# KiCad board MozzaMiddle.kicad_pcb
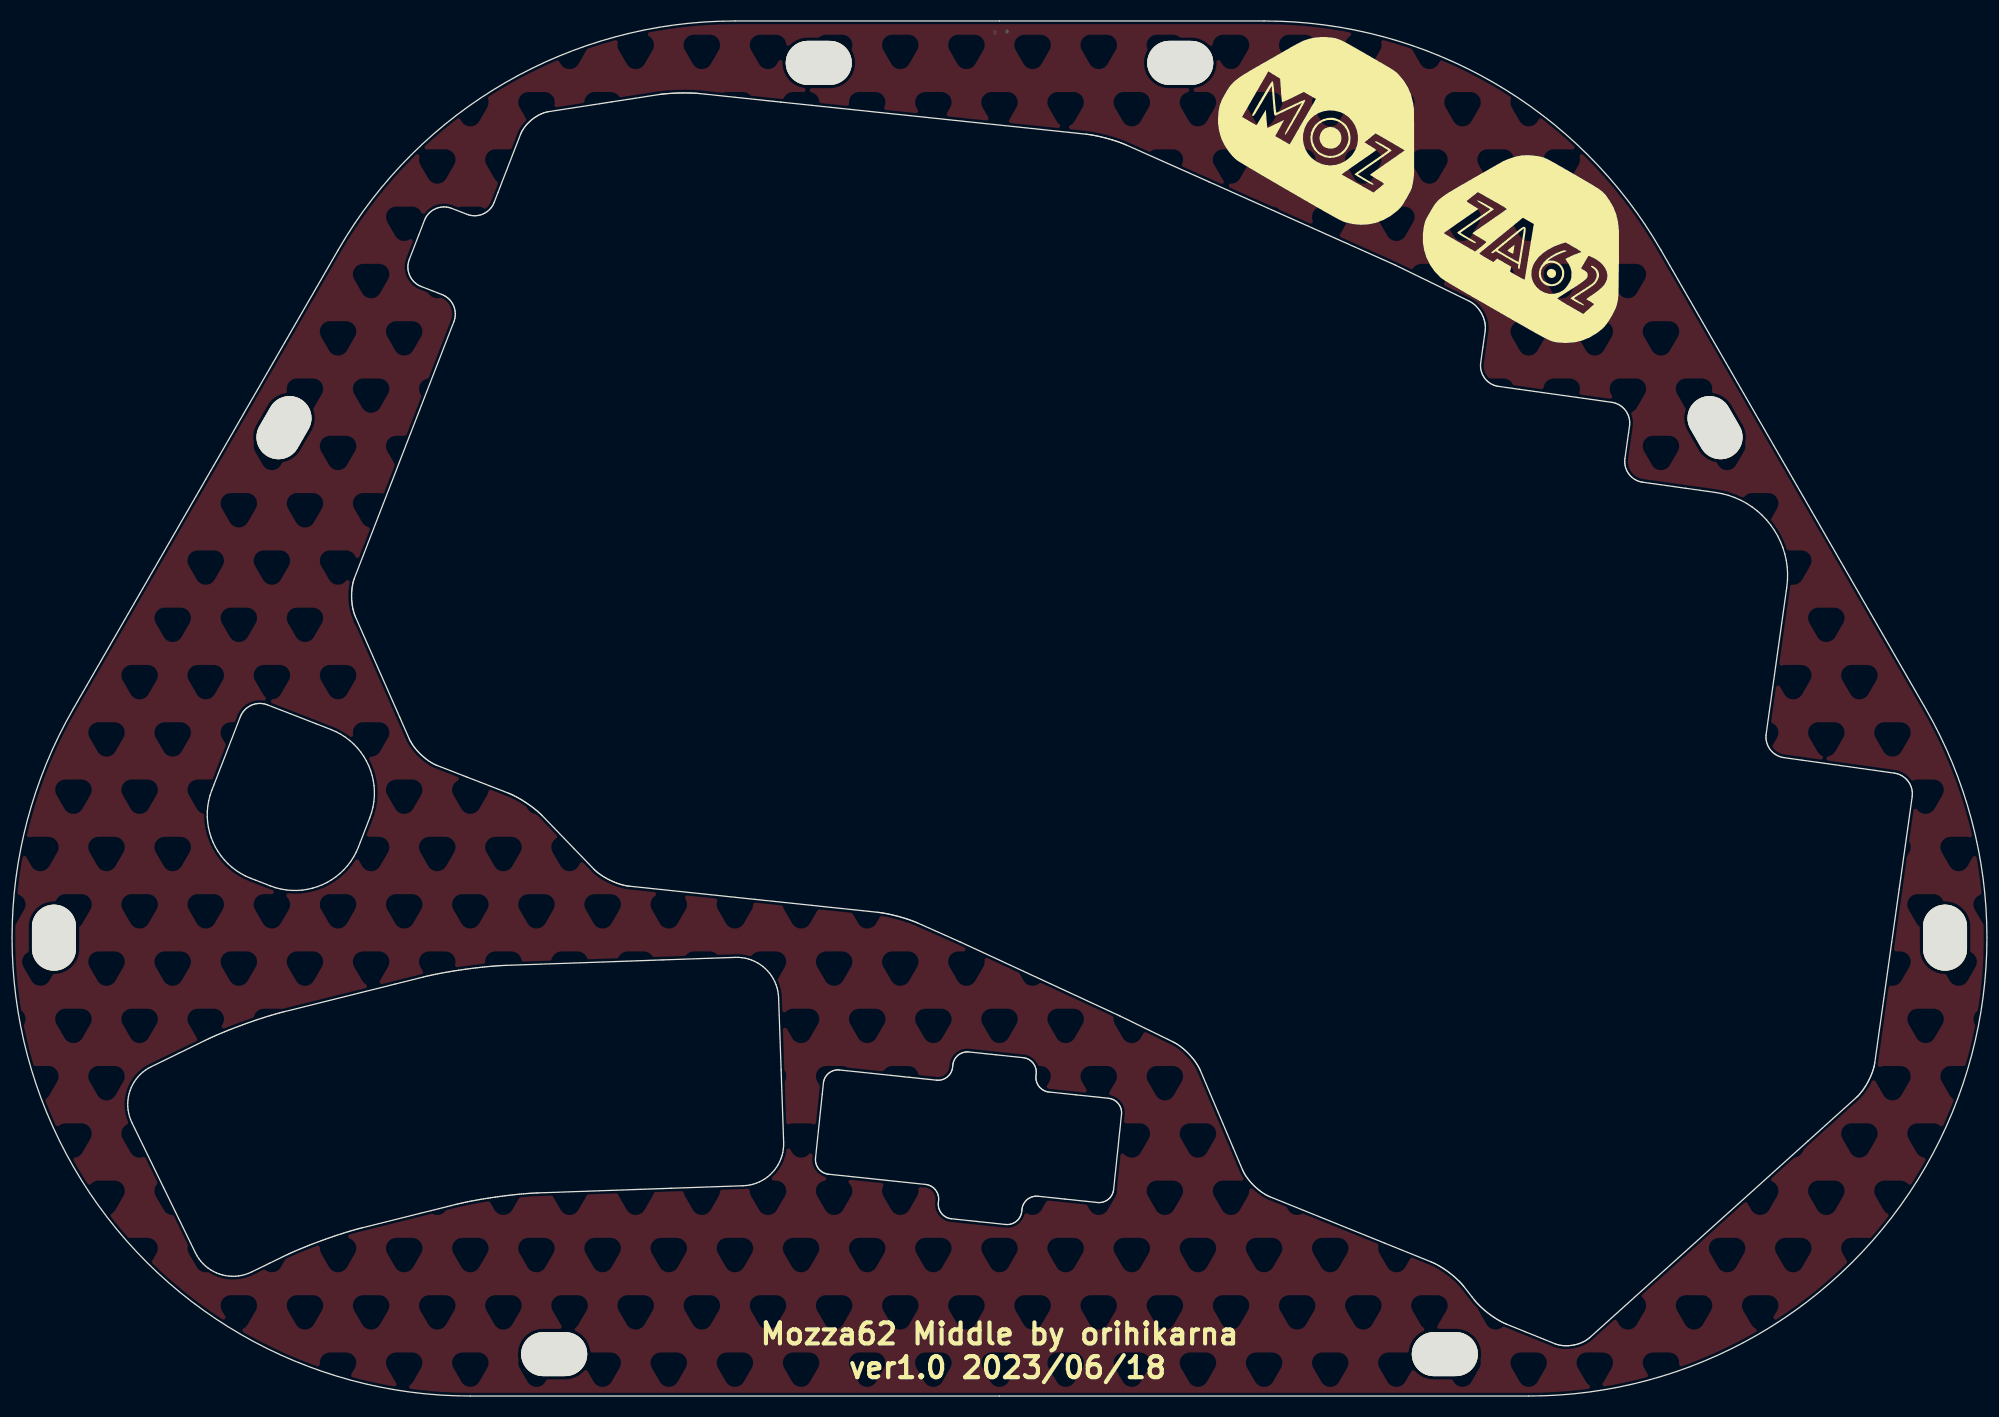
[diagram p0: board, top side]
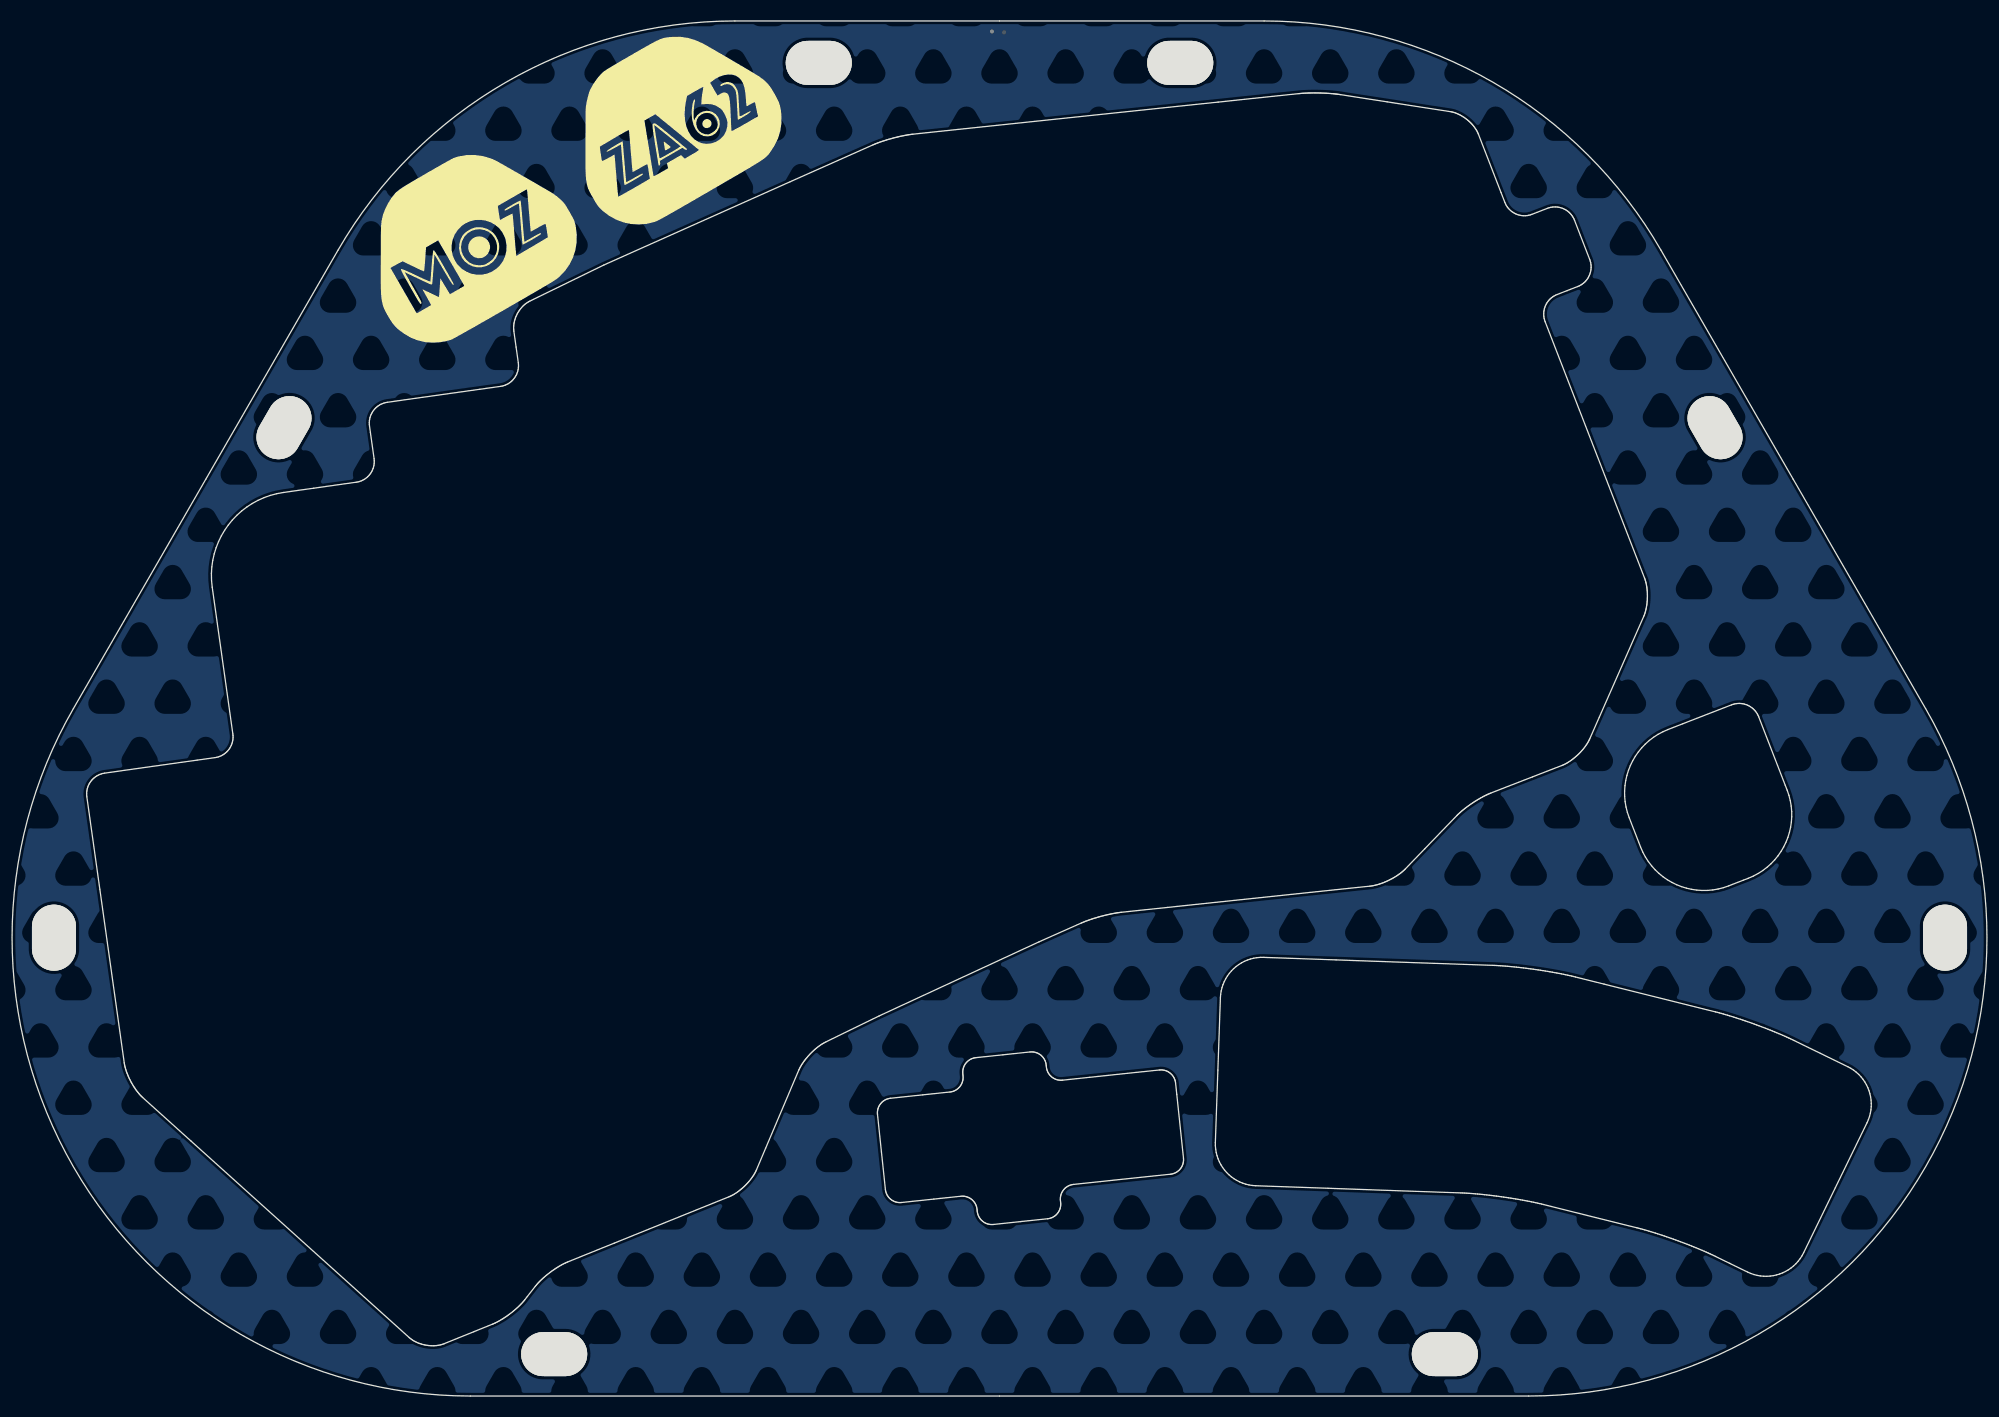
[diagram p1: board, bottom side, seen from below]

Outline 188.43 x 131.18 mm; copper layers: Top, Bottom. Coordinates in mm from the lower left corner of the outline.
Outline path: 5.86,65.59 5.86,65.59 18.48,87.45 31.1,109.31 arc(47.11,125.32) 68.97,131.18 68.97,131.18 119.46,131.18 arc(141.32,125.32) 157.33,109.31 169.95,87.45 182.57,65.59 arc(182.57,21.86) 144.71,0 94.22,0 43.73,0 arc(5.86,21.86) 5.86,65.59 ; 11.04,27.92 11.06,28.23 11.1,28.53 11.17,28.83 11.25,29.13 11.37,29.42 11.5,29.69 11.65,29.96 11.83,30.21 12.02,30.46 12.24,30.68 12.47,30.9 12.72,31.09 12.99,31.27 13.28,31.42 15.89,32.69 18.41,33.92 18.57,34 18.74,34.08 18.92,34.16 19.1,34.24 19.28,34.33 19.47,34.41 19.67,34.49 19.86,34.58 20.06,34.66 20.27,34.74 20.47,34.83 20.68,34.91 20.9,34.99 21.11,35.08 21.33,35.16 21.54,35.24 21.76,35.32 21.98,35.41 22.2,35.49 22.42,35.56 22.64,35.64 22.86,35.72 23.08,35.79 23.29,35.87 23.51,35.94 23.94,36.08 24.15,36.15 24.35,36.21 24.56,36.27 24.76,36.33 24.96,36.39 25.15,36.45 25.34,36.5 25.53,36.55 25.71,36.6 25.89,36.64 36.54,39.3 39.26,39.98 39.44,40.02 39.62,40.06 39.81,40.11 40,40.15 40.2,40.19 40.4,40.23 40.61,40.27 40.82,40.32 41.03,40.36 41.25,40.4 41.47,40.43 41.69,40.47 41.92,40.51 42.14,40.55 42.37,40.58 42.6,40.62 42.83,40.65 43.06,40.69 43.29,40.72 43.75,40.78 43.98,40.81 44.21,40.84 44.44,40.87 44.67,40.89 44.89,40.92 45.11,40.94 45.33,40.96 45.55,40.98 45.76,41 45.97,41.02 46.18,41.03 46.38,41.05 46.58,41.06 46.77,41.07 46.96,41.08 47.14,41.09 62.11,41.61 69,41.85 69.33,41.85 69.65,41.82 69.97,41.77 70.27,41.69 70.57,41.59 70.86,41.47 71.13,41.32 71.39,41.16 71.64,40.98 71.87,40.78 72.09,40.56 72.29,40.32 72.47,40.08 72.63,39.81 72.77,39.54 72.89,39.25 72.99,38.95 73.07,38.64 73.12,38.32 73.14,37.99 73.38,31.09 73.62,24.2 73.62,23.87 73.59,23.55 73.54,23.23 73.46,22.93 73.36,22.63 73.24,22.35 73.1,22.07 72.93,21.81 72.75,21.56 72.55,21.33 72.33,21.12 72.1,20.92 71.85,20.73 71.59,20.57 71.31,20.43 71.02,20.31 70.72,20.21 70.41,20.14 70.09,20.09 69.76,20.06 62.87,19.82 50.19,19.38 50.01,19.37 49.82,19.36 49.63,19.35 49.43,19.34 49.23,19.33 49.02,19.31 48.81,19.29 48.6,19.27 48.38,19.25 48.16,19.23 47.94,19.21 47.72,19.18 47.49,19.16 47.26,19.13 47.03,19.1 46.8,19.07 46.34,19.01 45.88,18.95 45.65,18.91 45.19,18.84 44.97,18.8 44.74,18.77 44.52,18.73 44.3,18.69 44.08,18.65 43.87,18.61 43.66,18.57 43.45,18.53 43.25,18.48 43.05,18.44 42.86,18.4 42.67,18.36 42.49,18.31 42.31,18.27 38.9,17.42 33.38,16.05 33.21,16 33.03,15.95 32.84,15.9 32.65,15.85 32.46,15.79 32.26,15.74 32.06,15.67 31.85,15.61 31.64,15.55 31.43,15.48 31.01,15.34 30.79,15.27 30.57,15.2 30.35,15.12 30.14,15.04 29.92,14.97 29.7,14.89 29.48,14.81 29.26,14.73 29.04,14.64 28.82,14.56 28.61,14.48 28.39,14.4 28.18,14.31 27.97,14.23 27.77,14.15 27.56,14.06 27.36,13.98 27.16,13.89 26.97,13.81 26.78,13.73 26.6,13.65 26.41,13.56 26.24,13.48 26.07,13.4 25.91,13.32 24.55,12.66 22.84,11.83 22.54,11.7 22.23,11.59 21.93,11.51 21.61,11.46 21.3,11.43 20.99,11.42 20.68,11.44 20.38,11.49 20.08,11.55 19.78,11.64 19.5,11.75 19.22,11.88 18.95,12.04 18.7,12.21 18.46,12.41 18.23,12.62 18.02,12.86 17.82,13.11 17.65,13.38 17.49,13.67 14.47,19.87 11.44,26.07 11.31,26.37 11.2,26.68 11.12,26.99 11.07,27.3 11.04,27.61 11.04,27.92 ; 18.63,55.26 18.63,55.77 18.68,56.28 18.76,56.79 18.89,57.3 19.07,57.8 19.25,58.27 21.78,64.8 21.84,64.95 21.92,65.09 22.01,65.22 22.1,65.35 22.21,65.46 22.32,65.57 22.44,65.67 22.56,65.76 22.7,65.83 22.84,65.9 22.98,65.96 23.12,66 23.27,66.04 23.43,66.06 23.58,66.07 23.74,66.07 23.9,66.06 24.05,66.03 24.21,65.99 24.37,65.94 29.03,64.13 30.43,63.59 30.91,63.37 31.38,63.13 31.81,62.84 32.22,62.53 32.6,62.19 32.95,61.83 33.27,61.44 33.55,61.03 33.8,60.6 34.02,60.15 34.21,59.68 34.35,59.21 34.47,58.72 34.54,58.22 34.57,57.72 34.57,57.21 34.52,56.7 34.44,56.19 34.31,55.68 34.14,55.18 33.23,52.84 33.05,52.38 32.84,51.89 32.59,51.43 32.31,50.99 32,50.58 31.66,50.2 31.29,49.86 30.9,49.54 30.49,49.25 30.06,49 29.61,48.78 29.15,48.6 28.67,48.45 28.18,48.34 27.69,48.26 27.18,48.23 26.67,48.23 26.16,48.28 25.65,48.37 25.14,48.5 24.64,48.67 23.24,49.21 22.77,49.39 22.29,49.6 21.82,49.85 21.39,50.13 20.98,50.44 20.6,50.78 20.25,51.15 19.93,51.54 19.65,51.95 19.4,52.38 19.18,52.83 18.99,53.29 18.85,53.77 18.74,54.26 18.66,54.76 18.63,55.26 ; 32.4,76.32 32.4,76.46 32.4,76.59 32.41,76.72 32.42,76.85 32.43,76.98 32.45,77.11 32.47,77.24 32.49,77.36 32.51,77.48 32.54,77.6 32.57,77.72 32.6,77.83 32.64,77.94 32.67,78.05 38.88,94.05 42.16,102.49 42.21,102.65 42.25,102.8 42.28,102.96 42.29,103.12 42.29,103.28 42.28,103.43 42.26,103.58 42.22,103.73 42.18,103.88 42.12,104.02 42.05,104.16 41.98,104.29 41.89,104.42 41.79,104.54 41.68,104.65 41.57,104.76 41.44,104.85 41.31,104.94 41.17,105.01 41.02,105.08 40.05,105.45 39.05,105.84 38.9,105.91 38.75,105.99 38.62,106.07 38.49,106.17 38.38,106.27 38.27,106.38 38.17,106.5 38.08,106.63 38.01,106.76 37.94,106.9 37.88,107.04 37.84,107.19 37.8,107.34 37.78,107.49 37.77,107.65 37.77,107.81 37.78,107.96 37.81,108.12 37.85,108.28 37.9,108.43 38.79,110.73 39.35,112.16 39.42,112.31 39.49,112.45 39.58,112.59 39.67,112.71 39.78,112.83 39.89,112.94 40.01,113.04 40.14,113.12 40.27,113.2 40.41,113.27 40.55,113.32 40.7,113.37 40.85,113.4 41,113.43 41.16,113.44 41.31,113.44 41.47,113.42 41.63,113.4 41.78,113.36 41.94,113.3 42.95,112.91 43.41,112.73 43.57,112.68 43.72,112.64 43.88,112.61 44.04,112.6 44.19,112.6 44.35,112.61 44.5,112.63 44.65,112.66 44.8,112.71 44.94,112.77 45.08,112.83 45.21,112.91 45.34,113 45.46,113.1 45.57,113.2 45.68,113.32 45.77,113.45 45.86,113.58 45.93,113.72 46,113.87 46.36,114.81 48.52,120.36 48.56,120.47 48.62,120.59 48.68,120.7 48.74,120.81 48.82,120.92 48.89,121.03 48.97,121.14 49.06,121.24 49.15,121.34 49.25,121.44 49.34,121.54 49.45,121.63 49.55,121.72 49.66,121.81 49.77,121.9 49.89,121.98 50,122.05 50.12,122.12 50.24,122.19 50.36,122.25 50.48,122.31 50.6,122.36 50.73,122.41 50.85,122.45 50.97,122.48 51.09,122.51 51.22,122.53 57.23,123.46 61.67,124.15 61.76,124.16 61.86,124.18 61.95,124.19 62.05,124.2 62.15,124.21 62.25,124.22 62.36,124.23 62.57,124.25 62.68,124.26 62.91,124.27 63.02,124.28 63.13,124.29 63.36,124.3 63.48,124.3 63.71,124.31 63.94,124.31 64.06,124.31 64.29,124.31 64.4,124.31 64.63,124.31 64.85,124.3 65.06,124.29 65.16,124.29 65.26,124.28 65.36,124.27 65.46,124.26 65.55,124.26 65.64,124.25 73.35,123.44 102.48,120.38 102.57,120.36 102.67,120.35 102.77,120.34 102.87,120.32 102.97,120.31 103.07,120.29 103.18,120.27 103.29,120.25 103.4,120.23 103.51,120.21 103.62,120.18 103.73,120.16 103.85,120.13 103.96,120.11 104.19,120.05 104.31,120.02 104.42,119.99 104.54,119.96 104.76,119.89 104.88,119.86 104.99,119.83 105.21,119.76 105.32,119.72 105.43,119.69 105.53,119.65 105.64,119.61 105.74,119.58 105.84,119.54 105.94,119.5 106.03,119.46 106.12,119.43 106.21,119.39 106.3,119.35 114.2,115.83 131.97,107.89 139.04,104.45 139.16,104.38 139.28,104.31 139.39,104.23 139.5,104.14 139.61,104.05 139.71,103.95 139.81,103.85 139.9,103.73 139.99,103.62 140.08,103.5 140.15,103.38 140.22,103.25 140.29,103.12 140.35,102.98 140.4,102.85 140.45,102.71 140.49,102.57 140.52,102.43 140.55,102.29 140.56,102.15 140.57,102.01 140.58,101.87 140.57,101.73 140.55,101.59 140.34,100.06 140.13,98.58 140.11,98.41 140.11,98.25 140.12,98.09 140.14,97.94 140.18,97.78 140.22,97.63 140.28,97.49 140.35,97.35 140.43,97.22 140.51,97.09 140.61,96.97 140.72,96.86 140.83,96.76 140.95,96.67 141.08,96.58 141.22,96.51 141.37,96.44 141.52,96.39 141.67,96.35 141.83,96.32 143.81,96.04 152.63,94.8 152.79,94.77 152.94,94.73 153.09,94.68 153.24,94.61 153.38,94.54 153.51,94.45 153.63,94.36 153.74,94.25 153.85,94.14 153.94,94.02 154.03,93.9 154.11,93.76 154.18,93.63 154.24,93.48 154.28,93.33 154.32,93.18 154.34,93.03 154.35,92.87 154.34,92.7 154.33,92.54 154.24,91.91 153.89,89.43 153.87,89.27 153.87,89.11 153.88,88.95 153.9,88.79 153.94,88.64 153.98,88.49 154.04,88.35 154.11,88.21 154.19,88.08 154.27,87.95 154.37,87.83 154.48,87.72 154.59,87.62 154.71,87.52 154.84,87.44 154.98,87.36 155.13,87.3 155.28,87.24 155.43,87.2 155.59,87.17 159.65,86.6 162.53,86.2 163.17,86.08 163.8,85.91 164.4,85.7 164.97,85.44 165.52,85.14 166.04,84.8 166.53,84.43 166.99,84.01 167.41,83.57 167.8,83.09 168.15,82.59 168.46,82.06 168.73,81.5 168.96,80.93 169.14,80.33 169.28,79.72 169.37,79.1 169.41,78.46 169.4,77.82 169.33,77.16 168.93,74.29 167.37,63.16 167.35,63 167.35,62.84 167.36,62.68 167.38,62.52 167.41,62.37 167.46,62.22 167.52,62.08 167.58,61.94 167.66,61.81 167.75,61.68 167.85,61.56 167.95,61.45 168.07,61.35 168.19,61.25 168.32,61.17 168.46,61.09 168.6,61.03 168.75,60.97 168.91,60.93 169.07,60.9 170.78,60.66 179.59,59.42 179.76,59.39 179.91,59.35 180.06,59.3 180.21,59.23 180.34,59.16 180.47,59.07 180.6,58.98 180.71,58.88 180.82,58.76 180.91,58.65 181,58.52 181.08,58.39 181.15,58.25 181.2,58.11 181.25,57.96 181.28,57.8 181.31,57.65 181.32,57.49 181.31,57.33 181.3,57.16 180.06,48.35 177.73,31.8 177.71,31.69 177.69,31.58 177.67,31.47 177.64,31.36 177.61,31.24 177.57,31.12 177.54,31.01 177.5,30.89 177.45,30.77 177.4,30.65 177.35,30.53 177.3,30.42 177.25,30.3 177.19,30.18 177.13,30.06 177.07,29.95 177,29.83 176.94,29.72 176.87,29.6 176.8,29.49 176.73,29.39 176.66,29.28 176.59,29.18 176.51,29.08 176.43,28.98 176.36,28.89 176.28,28.8 176.2,28.71 176.12,28.63 176.05,28.55 175.97,28.48 171.36,24.33 150.54,5.58 150.44,5.5 150.34,5.42 150.23,5.35 150.12,5.28 150,5.21 149.88,5.15 149.75,5.09 149.62,5.04 149.49,4.99 149.36,4.95 149.22,4.91 149.08,4.88 148.94,4.86 148.81,4.83 148.66,4.82 148.52,4.8 148.38,4.8 148.24,4.8 148.11,4.8 147.97,4.81 147.83,4.83 147.7,4.85 147.57,4.88 147.44,4.91 147.32,4.95 147.2,4.99 144.39,6.13 142.6,6.85 142.51,6.89 142.41,6.93 142.32,6.98 142.22,7.03 142.12,7.08 142.02,7.13 141.91,7.19 141.81,7.25 141.71,7.31 141.6,7.38 141.5,7.44 141.4,7.51 141.29,7.58 141.19,7.65 141.08,7.73 140.98,7.8 140.88,7.88 140.78,7.96 140.68,8.04 140.58,8.12 140.49,8.2 140.39,8.28 140.3,8.36 140.21,8.44 140.12,8.52 140.04,8.61 139.95,8.69 139.87,8.77 139.79,8.85 139.72,8.93 139.65,9.01 139.58,9.1 139.52,9.17 139.27,9.49 138.51,10.46 138.45,10.54 138.38,10.62 138.31,10.7 138.24,10.78 138.16,10.86 138.08,10.95 138,11.03 137.91,11.11 137.82,11.19 137.73,11.28 137.64,11.36 137.54,11.44 137.45,11.52 137.35,11.6 137.25,11.68 137.15,11.75 137.05,11.83 136.95,11.91 136.84,11.98 136.74,12.05 136.64,12.12 136.53,12.19 136.43,12.26 136.32,12.32 136.22,12.38 136.12,12.44 136.02,12.5 135.91,12.56 135.81,12.61 135.72,12.66 135.62,12.7 135.52,12.75 135.43,12.78 130.97,14.58 120.03,19 119.93,19.05 119.83,19.1 119.72,19.15 119.62,19.21 119.51,19.27 119.41,19.33 119.3,19.4 119.2,19.48 119.1,19.55 118.99,19.63 118.89,19.72 118.79,19.8 118.69,19.89 118.59,19.98 118.49,20.07 118.4,20.17 118.31,20.26 118.22,20.36 118.13,20.46 118.05,20.56 117.97,20.66 117.89,20.77 117.81,20.87 117.74,20.97 117.67,21.08 117.61,21.18 117.55,21.29 117.49,21.39 117.44,21.49 117.4,21.59 116.52,23.66 113.38,31.05 113.34,31.15 113.29,31.25 113.24,31.35 113.18,31.45 113.12,31.56 113.06,31.66 112.99,31.76 112.92,31.86 112.85,31.96 112.77,32.07 112.69,32.17 112.61,32.27 112.53,32.37 112.44,32.47 112.35,32.56 112.26,32.66 112.17,32.75 112.07,32.84 111.98,32.93 111.88,33.02 111.79,33.1 111.69,33.19 111.59,33.26 111.49,33.34 111.39,33.41 111.29,33.48 111.2,33.55 111.1,33.61 111,33.67 110.9,33.72 110.81,33.77 105.7,36.26 90.45,43.32 86.41,45.13 86.32,45.16 86.23,45.2 86.14,45.24 86.05,45.28 85.95,45.31 85.85,45.35 85.75,45.39 85.64,45.42 85.54,45.46 85.43,45.49 85.32,45.53 85.1,45.6 84.99,45.63 84.87,45.67 84.65,45.73 84.53,45.76 84.42,45.79 84.3,45.82 84.07,45.88 83.96,45.91 83.84,45.93 83.73,45.96 83.62,45.98 83.51,46 83.4,46.02 83.29,46.04 83.18,46.06 83.08,46.08 82.98,46.1 82.88,46.11 82.78,46.13 82.68,46.14 82.59,46.15 78.19,46.61 58.87,48.64 58.76,48.65 58.65,48.67 58.54,48.69 58.42,48.72 58.31,48.74 58.19,48.77 58.07,48.81 57.95,48.85 57.83,48.89 57.71,48.93 57.59,48.97 57.47,49.02 57.35,49.07 57.23,49.13 57.11,49.18 57,49.24 56.88,49.3 56.76,49.36 56.65,49.42 56.54,49.49 56.43,49.56 56.32,49.63 56.21,49.7 56.11,49.77 56.01,49.84 55.91,49.91 55.82,49.99 55.73,50.06 55.65,50.14 55.57,50.21 55.49,50.29 53.64,52.21 50.59,55.36 50.52,55.43 50.45,55.5 50.37,55.57 50.3,55.65 50.21,55.72 50.13,55.79 50.04,55.87 49.95,55.94 49.86,56.01 49.77,56.09 49.67,56.16 49.57,56.23 49.47,56.3 49.37,56.38 49.27,56.45 49.17,56.52 49.06,56.59 48.96,56.66 48.75,56.79 48.54,56.92 48.44,56.98 48.33,57.04 48.23,57.1 48.12,57.15 48.02,57.21 47.92,57.26 47.82,57.31 47.72,57.36 47.62,57.4 47.53,57.44 47.43,57.48 47.34,57.52 43.37,59.06 40.57,60.15 40.46,60.19 40.36,60.24 40.26,60.29 40.15,60.34 40.04,60.4 39.94,60.47 39.83,60.54 39.73,60.61 39.62,60.68 39.52,60.76 39.41,60.84 39.31,60.93 39.21,61.01 39.11,61.1 39.01,61.19 38.92,61.29 38.82,61.38 38.73,61.48 38.64,61.58 38.56,61.68 38.48,61.78 38.4,61.88 38.32,61.98 38.25,62.09 38.18,62.19 38.11,62.29 38.05,62.39 38,62.5 37.94,62.6 37.9,62.7 36.99,64.75 32.76,74.35 32.71,74.45 32.67,74.56 32.64,74.67 32.6,74.79 32.57,74.9 32.54,75.02 32.51,75.15 32.49,75.27 32.47,75.4 32.45,75.53 32.43,75.66 32.42,75.79 32.41,75.92 32.4,76.06 32.4,76.19 32.4,76.32 ; 76.66,22.58 76.66,22.7 77.3,28.76 77.42,29.86 77.43,29.97 77.46,30.08 77.49,30.19 77.53,30.29 77.58,30.39 77.64,30.48 77.7,30.57 77.77,30.65 77.85,30.73 77.93,30.8 78.01,30.86 78.1,30.92 78.2,30.97 78.3,31.02 78.4,31.05 78.51,31.08 78.62,31.1 78.73,31.11 78.84,31.11 78.95,31.1 85.62,30.4 88.2,30.13 88.32,30.13 88.43,30.13 88.54,30.14 88.65,30.16 88.76,30.19 88.86,30.22 88.96,30.26 89.05,30.31 89.14,30.37 89.23,30.44 89.31,30.51 89.39,30.58 89.45,30.67 89.52,30.76 89.57,30.85 89.62,30.95 89.67,31.05 89.7,31.15 89.72,31.26 89.74,31.38 89.75,31.48 89.76,31.58 89.78,31.69 89.8,31.8 89.84,31.91 89.88,32.01 89.93,32.11 89.98,32.2 90.05,32.29 90.12,32.37 90.19,32.45 90.27,32.52 90.36,32.58 90.45,32.64 90.54,32.69 90.64,32.74 90.75,32.77 90.85,32.8 90.96,32.82 91.07,32.83 91.19,32.83 91.3,32.82 96.47,32.28 96.59,32.26 96.7,32.24 96.8,32.2 96.91,32.16 97,32.11 97.1,32.06 97.18,31.99 97.27,31.92 97.34,31.85 97.41,31.77 97.48,31.68 97.54,31.59 97.59,31.5 97.63,31.4 97.67,31.29 97.69,31.19 97.71,31.08 97.72,30.97 97.73,30.86 97.72,30.74 97.71,30.64 97.7,30.54 97.69,30.43 97.69,30.31 97.7,30.2 97.72,30.09 97.75,29.99 97.79,29.89 97.83,29.79 97.88,29.69 97.94,29.6 98,29.51 98.07,29.43 98.15,29.36 98.23,29.29 98.32,29.23 98.41,29.17 98.51,29.12 98.61,29.08 98.72,29.05 98.83,29.02 98.94,29 101.53,28.73 104.61,28.41 104.73,28.39 104.84,28.37 104.94,28.33 105.04,28.29 105.14,28.24 105.24,28.19 105.32,28.12 105.41,28.05 105.48,27.98 105.55,27.9 105.62,27.81 105.68,27.72 105.73,27.62 105.77,27.53 105.81,27.42 105.83,27.32 105.85,27.21 105.86,27.1 105.87,26.98 105.86,26.87 105.48,23.29 105.11,19.71 105.09,19.59 105.06,19.48 105.03,19.38 104.99,19.28 104.94,19.18 104.88,19.09 104.82,19 104.75,18.91 104.67,18.84 104.59,18.77 104.51,18.7 104.42,18.64 104.32,18.59 104.22,18.55 104.12,18.52 104.01,18.49 103.91,18.47 103.79,18.46 103.68,18.46 103.57,18.46 100.48,18.79 97.9,19.06 97.78,19.07 97.67,19.06 97.56,19.05 97.45,19.03 97.34,19.01 97.24,18.97 97.14,18.93 97.05,18.88 96.96,18.82 96.87,18.75 96.79,18.68 96.71,18.61 96.65,18.52 96.58,18.44 96.53,18.34 96.48,18.25 96.44,18.14 96.4,18.04 96.38,17.93 96.36,17.81 96.35,17.71 96.34,17.61 96.32,17.5 96.3,17.39 96.26,17.28 96.22,17.18 96.17,17.08 96.12,16.99 96.05,16.9 95.98,16.82 95.91,16.74 95.83,16.67 95.74,16.61 95.65,16.55 95.56,16.5 95.46,16.46 95.35,16.42 95.25,16.39 95.14,16.37 95.03,16.36 94.91,16.36 94.8,16.37 89.63,16.91 89.51,16.93 89.4,16.95 89.3,16.99 89.2,17.03 89.1,17.08 89,17.13 88.92,17.2 88.83,17.27 88.76,17.34 88.69,17.42 88.62,17.51 88.56,17.6 88.51,17.69 88.47,17.79 88.43,17.9 88.41,18 88.39,18.11 88.38,18.22 88.38,18.34 88.38,18.45 88.39,18.55 88.4,18.65 88.41,18.76 88.41,18.88 88.4,18.99 88.38,19.1 88.35,19.2 88.32,19.3 88.27,19.4 88.22,19.5 88.16,19.59 88.1,19.68 88.03,19.76 87.95,19.83 87.87,19.9 87.78,19.96 87.69,20.02 87.59,20.07 87.49,20.11 87.38,20.15 87.27,20.17 87.16,20.19 84.57,20.46 77.91,21.16 77.8,21.18 77.68,21.2 77.58,21.24 77.48,21.28 77.38,21.33 77.29,21.38 77.2,21.45 77.11,21.51 77.04,21.59 76.97,21.67 76.9,21.76 76.85,21.85 76.79,21.94 76.75,22.04 76.72,22.14 76.69,22.25 76.67,22.36 76.66,22.47 76.66,22.58

## Placement (name value [footprint] x y rotation side)
G1  LOGO  [mozza62_logo]  135.42 115.82 330 top
G2  LOGO  [mozza62_logo]  135.42 115.82 150 bottom
H1  MountingHole  [SpacerHole_M2_4mm]  136.71 4 0 top
H2  MountingHole  [SpacerHole_M2_4mm]  51.73 4 0 top
H3  MountingHole  [SpacerHole_M2_4mm]  184.43 43.73 90 top
H4  MountingHole  [SpacerHole_M2_4mm]  4 43.73 270 top
H5  MountingHole  [SpacerHole_M2_4mm]  162.49 92.38 120 top
H6  MountingHole  [SpacerHole_M2_4mm]  25.95 92.38 240 top
H7  MountingHole  [SpacerHole_M2_4mm]  111.46 127.18 0 top
H8  MountingHole  [SpacerHole_M2_4mm]  76.97 127.18 0 top
P1  -  [DummyPad]  93.78 130.1 0 top
P2  -  [DummyPad]  94.94 130.17 180 bottom

## Footprints (pads in the part's own frame, mm; a bottom-side part is the same pattern mirrored in y, then rotated)
DummyPad
  round 0.4 smd: 1(0,0)
SpacerHole_M2_4mm
  oval 6.3x4.2 hole 6.3x4.2 unplated: (0,0)

## Nets
GND: P1.1 P2.1

## Copper pours and planes (outline as drawn; the poured copper is in the pictures)
GND on Top: -0.08,131.32 188.92,131.32 188.92,-0.68 -0.08,-0.68
GND on Bottom: -0.08,131.32 188.92,131.32 188.92,-0.68 -0.08,-0.68

## Text on the board
F.Silkscreen: Mozza62 Middle by orihikarna / ver1.0 2023/06/18
